# KiCad board Marble.kicad_pcb (continued)
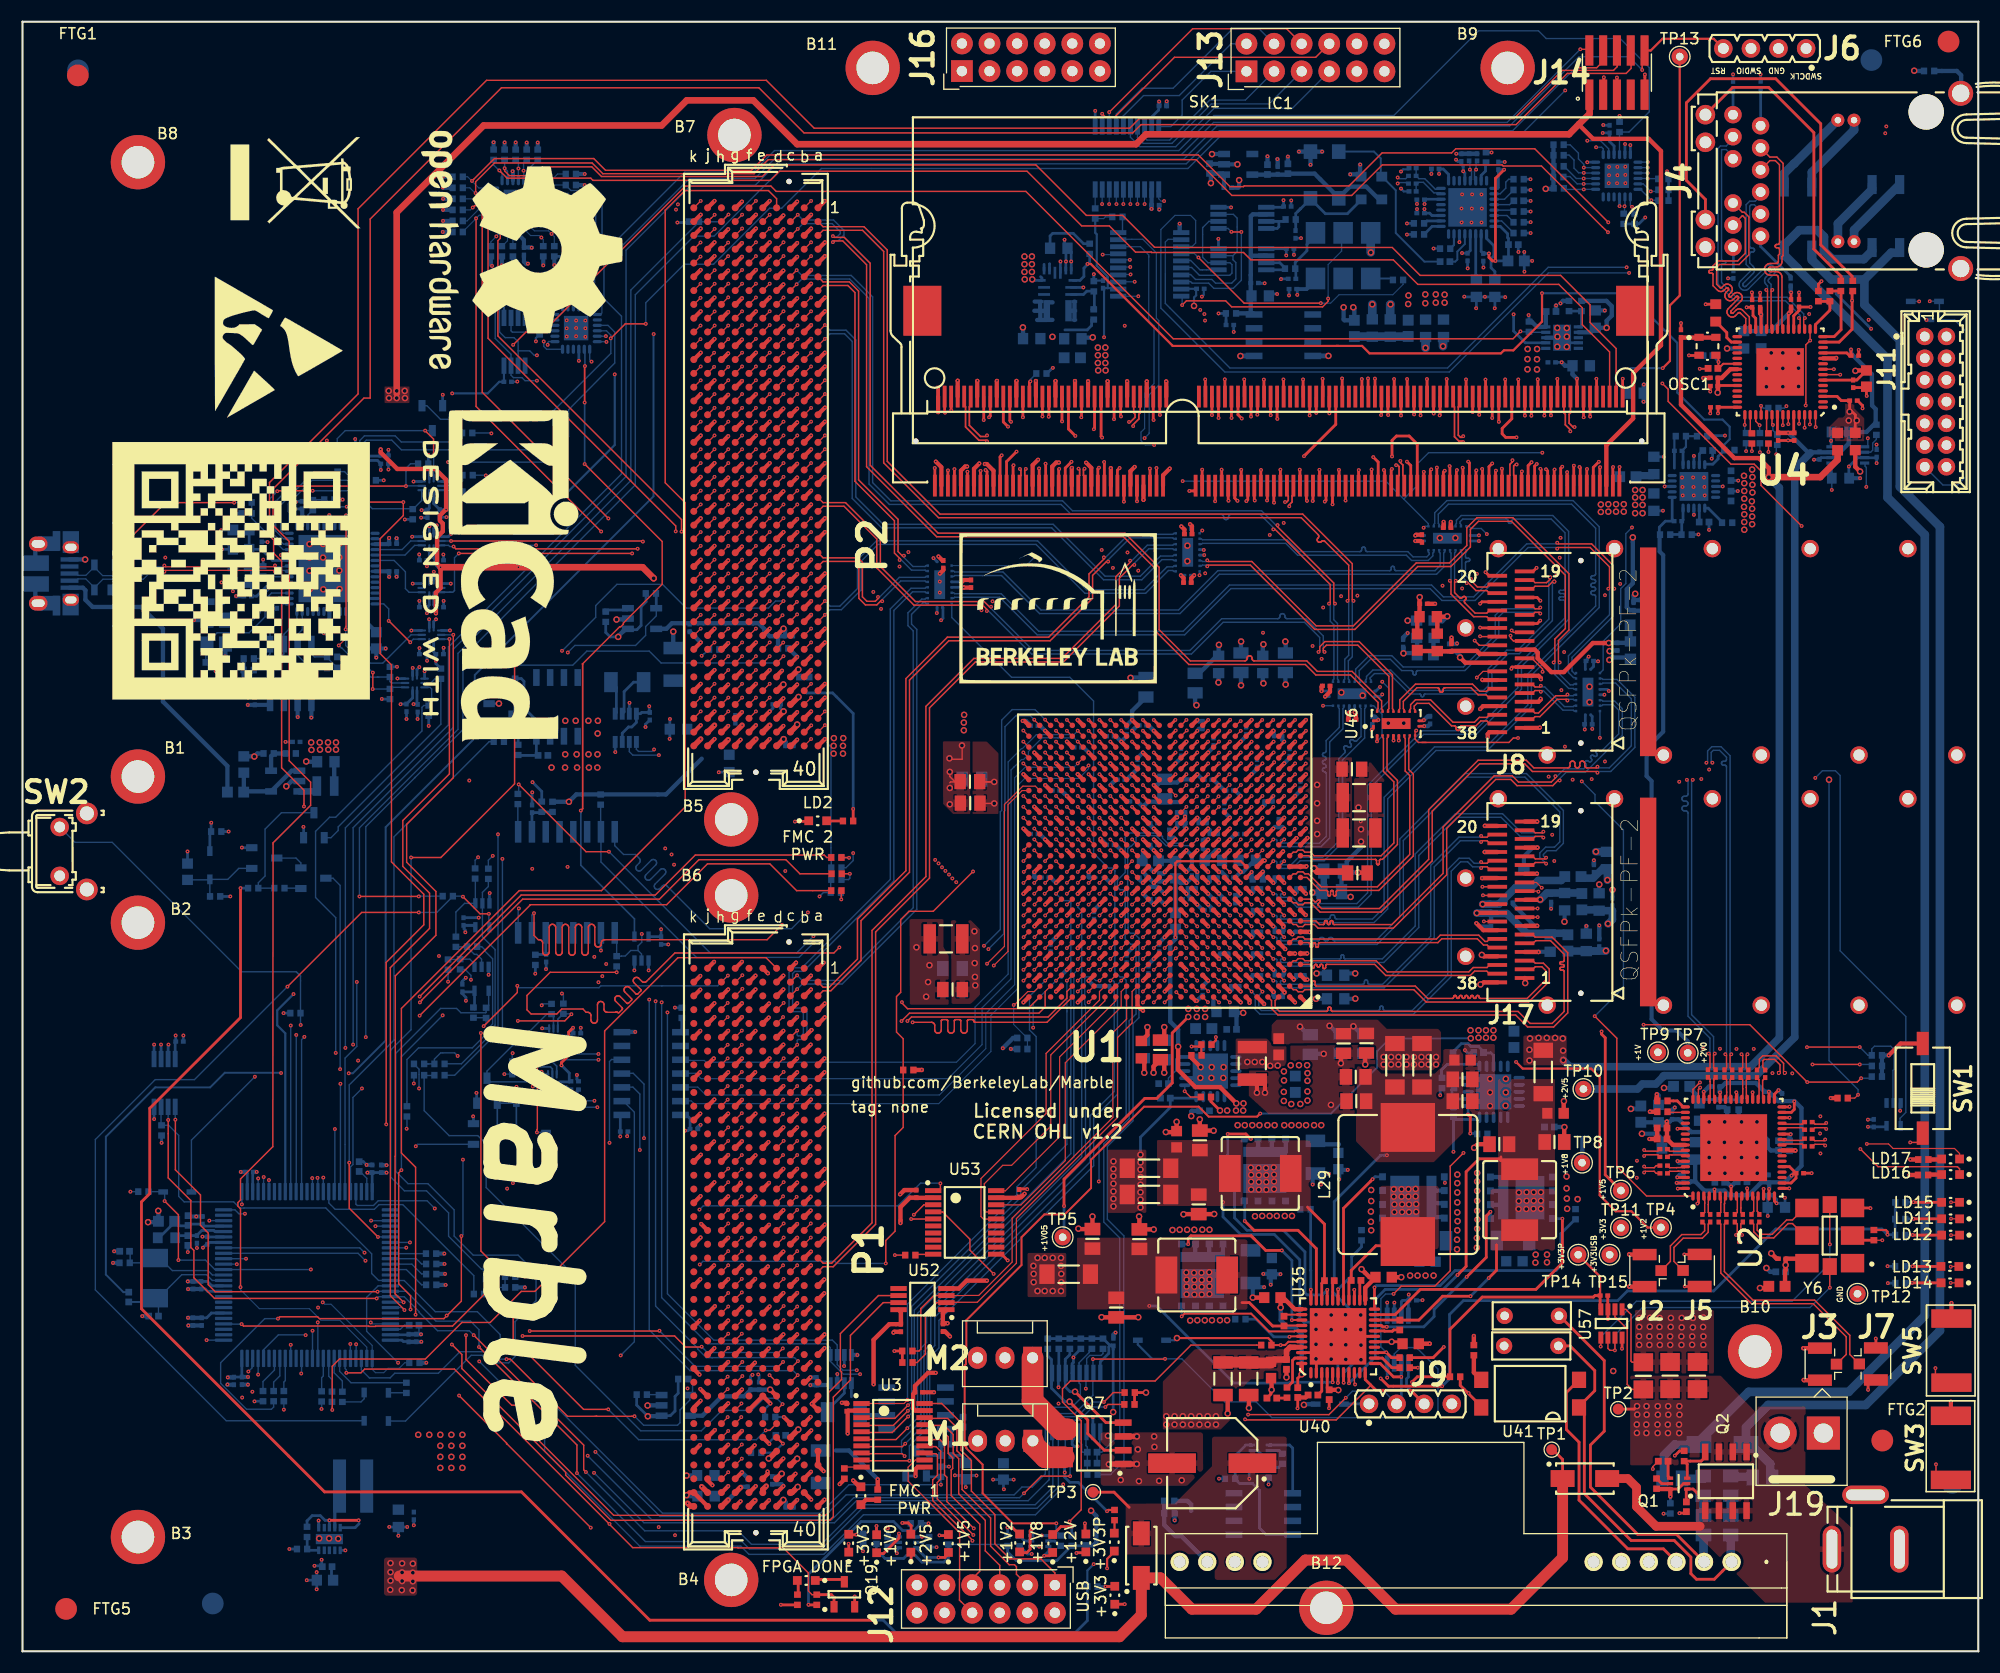
[diagram p0: board, top side]
## Routing (per net, layer and track width the routed paths; a pad name or vN(x,y) marks a point on that pad's centre or on a via; arc(x,y) is an arc through that point) (continued)
/ETH_PHY/RGMII_TXD1: length 102.2
  Top w0.102: v1(107.13,66.73) 106.63,67.23 106.62,67.23
  Top w0.127: v1(162.52,112.96) 162.52,112.96 U4.51
  In2.Cu w0.127: v1(107.13,66.73) 107.61,66.73 108.75,65.59 108.75,65.55 109.21,65.1 116.52,65.1 116.66,64.95 122.35,64.95 124.8,62.49 127.88,62.49 127.89,62.49 127.91,62.49 127.92,62.48 127.93,62.47 127.94,62.45 127.95,62.44 127.95,62.41 127.96,62.39 127.97,62.38 127.98,62.37 127.99,62.36 128,62.35 128.02,62.35 128.58,62.35 128.59,62.35 128.61,62.36 128.62,62.37 128.63,62.38 128.64,62.39 128.65,62.41 128.65,62.42 128.65,62.49 128.65,62.49 128.65,62.82 128.66,62.89 128.69,62.96 128.72,63.02 128.77,63.07 128.84,63.11 128.9,63.13 128.97,63.14 129.03,63.14 129.1,63.13 129.17,63.11 129.23,63.07 129.28,63.02 129.32,62.96 129.35,62.89 129.36,62.74 129.39,62.68 129.42,62.62 129.47,62.56 129.54,62.53 129.6,62.5 129.67,62.49 134.26,62.49 135.4,63.64 148.09,63.64 160.33,75.88 160.33,79.78 162.01,81.46 162.01,89.55 161.16,90.4 161.16,106.34 162.01,107.19 162.01,110.08 162.97,111.04 162.97,112.52 v1(162.52,112.96)
/ETH_PHY/RGMII_TXD2: length 97.3
  Top w0.11: v1(111.12,62.75) 111.1,62.75 U1.D8
  Top w0.127: U4.54 v1(164.02,112.63)
  In2.Cu w0.127: v1(111.12,62.75) 111.62,62.25 116.03,62.25 116.1,62.17 118.64,62.17 119.08,61.73 133.84,61.73 133.96,61.85 135.28,61.85 135.85,62.41 148.63,62.41 149.34,63.12 149.34,63.13 161.08,74.88 161.08,79.17 162.79,80.88 162.79,82.52 162.78,90.3 162.01,91.07 162.01,105.55 162.79,106.33 162.79,109.36 164.02,110.59 v1(164.02,112.63)
/ETH_PHY/RGMII_TXD3: length 102.3
  Top w0.102: U1.D9 110.12,62.73 v1(110.12,62.73)
  Top w0.127: v1(164.5,112.94) 164.52,112.95 U4.55
  In2.Cu w0.127: v1(164.5,112.94) 164.5,110.46 163.13,109.09 163.13,106.01 162.56,105.43 162.47,105.34 162.47,91.26 163.13,90.59 163.13,80.38 161.48,78.72 161.48,74.45 148.9,61.88 138.62,61.88 138.52,61.97 138.08,61.97 137.02,60.92 133.6,60.92 133.29,61.22 123.87,61.22 123.84,61.22 123.81,61.21 123.79,61.19 123.76,61.17 123.75,61.15 123.74,61.12 123.73,61.06 123.72,61.03 123.71,61 123.68,60.98 123.66,60.96 123.63,60.95 123.6,60.95 123.27,60.95 123.24,60.95 123.21,60.96 123.19,60.98 123.16,61 123.15,61.03 123.14,61.06 123.13,61.09 123.13,61.33 123.13,61.36 123.12,61.38 123.11,61.4 123.09,61.42 123.07,61.43 123.05,61.44 123.02,61.44 122.65,61.44 122.62,61.44 122.6,61.43 122.58,61.42 122.56,61.4 122.55,61.38 122.54,61.36 122.53,61.33 122.53,61.09 122.53,61.06 122.52,61.03 122.51,61 122.48,60.98 122.46,60.96 122.43,60.95 122.4,60.95 122.07,60.95 122.04,60.95 122.01,60.96 121.99,60.98 121.96,61 121.95,61.03 121.94,61.06 121.93,61.09 121.93,61.33 121.93,61.36 121.92,61.38 121.91,61.4 121.89,61.42 121.87,61.43 121.85,61.44 121.82,61.44 121.45,61.44 121.42,61.44 121.4,61.43 121.38,61.42 121.36,61.4 121.35,61.38 121.34,61.36 121.33,61.33 121.33,61.09 121.33,61.06 121.32,61.03 121.31,61 121.28,60.98 121.26,60.96 121.23,60.95 121.2,60.95 120.87,60.95 120.84,60.95 120.81,60.96 120.79,60.98 120.76,61 120.75,61.03 120.74,61.06 120.73,61.09 120.73,61.33 120.73,61.36 120.72,61.38 120.71,61.4 120.69,61.42 120.67,61.43 120.65,61.44 120.62,61.44 120.25,61.44 120.22,61.44 120.2,61.43 120.18,61.42 120.16,61.4 120.15,61.38 120.14,61.36 120.13,61.33 120.13,61.22 120.12,61.22 120.12,61.09 120.12,61.06 120.11,61.03 120.09,61 120.07,60.98 120.04,60.96 120.02,60.95 119.98,60.95 119.66,60.95 119.63,60.95 119.6,60.96 119.57,60.98 119.55,61 119.53,61.03 119.52,61.06 119.52,61.12 119.51,61.15 119.49,61.17 119.47,61.19 119.44,61.21 119.42,61.22 119.38,61.22 112.12,61.22 110.62,62.73 v1(110.12,62.73)
/FANFAIL: length 166.3
  In2.Cu w0.127: v1(52.73,18.35) 49.57,21.52 49.57,47.51 49.26,47.82 49.26,100.95 49.81,101.49 53.74,105.4 v1(53.74,120.53)
  Bottom w0.127: v1(53.74,120.53) 53.72,120.55 U39.6 ; v1(52.73,18.35) 58.67,12.41 73.81,12.41 75.79,14.39 82.67,14.39 ; R173.2 98.33,27.84 98.17,27.68 98.17,27.5 97.24,26.57 97.24,24.7 97.36,24.58 97.36,23.25 96.57,22.46 94.89,22.46 94.13,21.69 94.13,16.32 92.92,15.12 91.98,15.12 91.26,14.39 82.67,14.39 ; 82.67,14.39 82.61,14.39
/FMC1_PRSNT_M2C_L: length 27.9
  Top w0.102: P1.H2 v1(64.92,62.2)
  Top w0.127: v1(45.54,61.26) 45.54,60.64 v1(42.44,57.54)
  Bottom w0.127: v1(42.44,57.54) 42.67,57.77 R63.1 42.64,58.32 R234.2 ; 58.82,61.26 53.23,61.26 53.06,61.08 45.71,61.08 v1(45.54,61.26) ; 58.82,61.26 58.9,61.26 ; 58.82,61.26 63.98,61.26 v1(64.92,62.2)
/FMC1_PRSNT_Override: length 2
  Bottom w0.127: D18.2 35.5,23.79 35.48,23.78 R151.1
/FMC1_TCK: length 60.4
  Top w0.127: P1.D29 v1(69.97,27.88) ; v1(46.02,29.02) 60.02,29.02 61.03,28.01 62.48,28.01 v1(62.51,28.03)
  In2.Cu w0.127: v1(40.05,54.8) 40.05,37.98 39.92,37.85 39.92,31.49 42.39,29.02 v1(46.02,29.02)
  Bottom w0.127: v1(62.51,28.03) 63.04,27.5 69.59,27.5 v1(69.97,27.88) ; 37.38,54.07 R239.1 R241.2 37.91,54.5 38.48,55.08 39.77,55.08 v1(40.05,54.8)
/FMC1_TDI: length 64.2
  Top w0.127: v1(58.62,29.51) 58.59,29.48 v1(46.68,29.48) ; P1.D30 v1(70,26.64)
  In2.Cu w0.127: v1(41.27,61.81) 41.27,49.95 40.97,49.65 40.97,38.27 41.65,37.58 41.65,31.03 43.2,29.48 v1(46.68,29.48)
  Bottom w0.127: v1(58.62,29.51) 61.9,26.23 69.59,26.23 v1(70,26.64) ; R277.1 40.73,62.77 41.27,62.22 v1(41.27,61.81)
/FMC1_TDO: length 64.1
  Top w0.127: v1(42.19,56.91) 42.19,36.85 43.86,35.17 v1(43.86,31.84) ; P1.D31 v1(68.76,25.42)
  In9.Cu w0.127: v1(43.86,31.84) 46.28,31.84 53.24,24.88 68.22,24.88 v1(68.76,25.42)
  Bottom w0.127: v1(42.19,56.91) 42.43,56.91 43.27,57.74 43.27,63.74 42.58,64.43 42.58,64.54 42.26,64.86 R278.1
/FMC1_TMS: length 58.7
  Top w0.127: v1(69.95,22.75) 69.43,22.23 P1.D33
  Bottom w0.127: 37.86,53.03 37.83,53 36.99,53 ; R240.1 36.97,49.76 39.27,47.46 41.9,47.46 42.67,46.7 42.67,42.69 50.87,34.48 50.87,26.32 56.9,20.3 62.48,20.3 64.35,22.17 67.11,22.17 68.23,23.29 69.41,23.29 v1(69.95,22.75)
/FMC1_TRST: length 35.9
  Top w0.127: P1.D34 68.78,20.34 v1(68.4,20.34) ; v1(45.16,31.16) 45.16,28.74 51.64,22.27 v1(53.91,22.27)
  Bottom w0.127: v1(53.91,22.27) 56.71,19.47 67.54,19.47 v1(68.4,20.34) ; v1(45.16,31.16) 43.43,32.88 R290.1 42.48,34.05 R289.2
/FMC2_PRSNT_M2C_L: length 86.6
  Top w0.127: P2.H2 v1(64.97,132.25) ; v1(31.01,69.48) v1(36.47,69.48)
  Bottom w0.127: v1(64.97,132.25) 64.31,131.59 62.27,131.59 ; R276.1 36.5,69.51 v1(36.47,69.48) ; R205.2 62.27,131.58 55.99,125.31 55.99,107.78 40.08,91.86 40.08,84.86 31.01,75.8 v1(31.01,69.48)
/FMC2_PRSNT_Override: length 2.7
  Bottom w0.127: R152.1 31.15,22.95 31.44,23.24 D17.2
/FMC2_TCK: length 66.6
  Top w0.127: P2.D29 v1(70.04,97.95)
  In4.Cu w0.127: v1(70.04,97.95) 69.39,97.3 56.31,97.3 54.17,95.16 54.17,94.72 43.76,84.31 v1(43.76,75.2)
  GND5.Cu w0.127: 43.94,75.37 v1(43.76,75.2)
  Bottom w0.127: R241.1 38.85,54.05 ; 38.8,54.08 40.4,54.08 43.76,57.45 v1(43.76,75.2)
/FMC2_TDI: length 49
  Top w0.112: P2.D30 v1(70.04,96.68)
  In7.Cu w0.127: v1(41.93,73.09) 41.93,84.37 v1(49.65,92.09)
  Bottom w0.127: 41.63,72.06 R279.1 41.65,72.81 v1(41.93,73.09) ; v1(70.04,96.68) 69.31,96.68 68.66,96.03 61.08,96.03 58.9,98.21 54.71,98.21 52.75,96.26 52.75,95.18 49.67,92.09 v1(49.65,92.09)
/FMC2_TDO: length 43.8
  Top w0.127: P2.D31 69.4,94.82 v1(69.95,95.37)
  In4.Cu w0.127: v1(43.28,73.22) 44.37,74.31 44.37,83.45 53.92,93.01 53.92,93.19 55.74,95.01 69.59,95.01 v1(69.95,95.37)
  GND5.Cu w0.127: 43.45,73.39 v1(43.28,73.22)
  Bottom w0.127: v1(43.28,73.22) 42.87,72.81 R280.1 42.89,72.04
/FMC2_TMS: length 63.6
  Top w0.127: v1(70.01,92.85) 69.4,92.24 P2.D33
  In4.Cu w0.127: v1(44.17,72.94) 44.89,73.66 44.89,82.73 55.39,93.23 55.43,93.23 55.51,93.31 69.56,93.31 v1(70.01,92.85)
  GND5.Cu w0.127: 44.34,73.11 v1(44.17,72.94)
  Bottom w0.127: v1(44.17,72.94) 44.17,57.42 39.77,53.03 38.8,53.03
/FMC2_TRST: length 93.8
  Top w0.112: P2.D34 v1(70.04,91.6)
  Top w0.127: v1(35.76,73.07) 38.5,73.07 45.29,79.85 45.29,90.6 v1(45.46,90.77)
  Bottom w0.127: v1(70.04,91.6) 69.42,90.97 58.77,90.97 57.68,92.07 51.94,92.07 50.64,90.77 v1(45.46,90.77) ; v1(35.76,73.07) 35.76,57.22 33.89,55.35 33.89,43.64 35.15,42.38 37.18,42.38 39.21,40.35 39.21,38.2 42.23,35.18 R289.1
/FMC_1/FMC1_3P3VAUX: length 9.2
  Top w0.4: P1.D32 68.82,24.08 v2(68.81,24.08)
  Bottom w0.4: 61.42,21.68 62.57,21.68 64.36,23.47 66.42,23.47 67,24.05 C66.1 67.01,24.08 v2(68.81,24.08)
/FMC_1/FMC1_CLK0_M2C_N: length 45.3
  Top w0.11: U1.E17 v1(101.12,63.73)
  Top w0.112: P1.H5 64.32,57.8 v1(64.9,58.38)
  In7.Cu w0.1: v1(101.12,63.73) 101.12,64.04 101.07,64.09 100.91,64.09 100.77,63.95 100.77,62.9 100.77,62.9 100.77,62.56 100.77,62.56 100.77,62.45 100.41,62.09 99.97,62.09 99.96,62.08 99.95,62.08 99.77,61.9 99.77,61.56 99.77,61.56 99.77,59.88 99.77,59.88 99.77,59.55 99.77,59.54 99.77,58.48 97.84,56.55 78.32,56.55 75.98,58.89 65.41,58.89 v1(64.9,58.38)
/FMC_1/FMC1_CLK0_M2C_P: length 45.3
  Top w0.11: U1.F17 v1(101.12,64.73)
  Top w0.112: P1.H4 64.32,59.1 v1(64.9,59.68)
  In7.Cu w0.1: v1(101.12,64.73) 101.12,64.43 101.07,64.38 100.79,64.38 100.48,64.07 100.48,63.02 100.48,63.02 100.48,62.57 100.29,62.38 99.85,62.38 99.84,62.37 99.83,62.37 99.48,62.02 99.48,61.44 99.48,59.42 99.48,58.6 97.72,56.84 78.44,56.84 76.11,59.18 65.41,59.18 v1(64.9,59.68)
/FMC_1/FMC1_CLK1_M2C_N: length 42.9
  Top w0.11: U1.D18 100.12,62.73 v1(100.12,62.73)
  Top w0.112: P1.G3 65.6,60.33 v1(66.25,60.98)
  In7.Cu w0.1: v1(100.12,62.73) 99.76,63.09 98.96,63.09 98.77,62.89 98.77,60.56 98.77,60.56 98.77,59.37 97.96,58.56 80.35,58.56 75.12,63.8 71.08,63.8 68.74,61.46 66.73,61.46 v1(66.25,60.98)
/FMC_1/FMC1_CLK1_M2C_P: length 42.9
  Top w0.11: U1.E18 100.12,63.73 v1(100.12,63.73)
  Top w0.112: v1(66.25,62.23) 65.62,61.6 P1.G2
  In7.Cu w0.1: v1(66.25,62.23) 66.73,61.75 68.62,61.75 70.96,64.09 75.24,64.09 80.47,58.85 97.84,58.85 98.48,59.49 98.48,60.44 98.48,60.44 98.48,63.02 98.83,63.37 98.84,63.37 98.84,63.38 99.76,63.38 v1(100.12,63.73)
/FMC_1/FMC1_FUSE: length 39.4
  Top w0.127: v1(56.32,21.63) 52.83,21.63 ; 52.83,21.63 50.16,21.63 44.9,26.89 v1(44.55,26.89) ; 52.83,21.63 52.73,21.63
  Bottom w0.127: R260.2 61.67,24.68 61.67,23.83 61.42,23.58 61.42,23.12 60.51,22.22 60.51,21.03 60.28,20.81 57.16,20.81 56.34,21.63 v1(56.32,21.63) ; U54.78 31.18,25.9 31.92,25.16 33.83,25.16 34.26,25.59 38.28,25.59 40.26,27.57 42.85,27.57 43.53,26.89 v1(44.55,26.89)
/FMC_1/FMC1_GBTCLK0_M2C_N: length 168.5
  Top w0.112: v1(70,58.38) 69.41,57.79 P1.D5
  Top w0.13: v1(161.64,53.24) 161.75,53.35 161.75,53.98 161.25,54.48 160.29,54.48 160.18,54.36 160.18,53.74 160.39,53.53 C86.2
  In4.Cu w0.1: v1(161.64,53.24) 161.77,53.11 161.77,52.78 161.54,52.55 160.26,52.55 159.39,53.41 149.23,53.41 145.22,49.4 145.22,47.72 145.21,47.68 145.2,47.64 145.17,47.6 145.14,47.57 145.1,47.54 145.06,47.53 145.02,47.52 144.98,47.52 144.94,47.52 144.89,47.5 144.86,47.48 144.82,47.45 144.8,47.41 144.79,47.37 144.78,47.32 144.79,47.28 144.8,47.24 144.82,47.2 144.86,47.17 144.89,47.14 144.94,47.13 144.98,47.12 145.02,47.12 145.06,47.12 145.1,47.1 145.14,47.08 145.17,47.05 145.2,47.01 145.21,46.97 145.22,46.92 145.21,46.88 145.2,46.84 145.17,46.8 145.14,46.77 145.1,46.74 145.06,46.73 145.02,46.72 144.98,46.72 144.94,46.72 144.89,46.7 144.86,46.68 144.82,46.65 144.8,46.61 144.79,46.57 144.78,46.52 144.79,46.48 144.8,46.44 144.82,46.4 144.86,46.37 144.89,46.34 144.94,46.33 144.98,46.32 145.02,46.32 145.06,46.32 145.1,46.3 145.14,46.28 145.17,46.25 145.2,46.21 145.21,46.17 145.22,46.12 145.21,46.08 145.2,46.04 145.17,46 145.14,45.97 145.1,45.94 145.06,45.93 145.02,45.92 144.98,45.92 144.94,45.92 144.89,45.9 144.86,45.88 144.82,45.85 144.8,45.81 144.79,45.77 144.78,45.72 144.79,45.68 144.8,45.64 144.82,45.6 144.86,45.57 144.89,45.54 144.94,45.53 144.98,45.52 145.02,45.52 145.06,45.52 145.1,45.5 145.14,45.48 145.17,45.45 145.2,45.41 145.21,45.37 145.22,45.32 145.22,41.27 142.44,38.5 137.85,38.5 135.36,36.01 124.3,36.01 121.79,38.53 114.67,38.53 112.34,36.2 101.35,36.2 97.45,32.3 93.21,32.3 92.67,32.84 89.4,32.84 88.2,31.64 88.2,31.01 79.51,22.32 64.61,22.32 63.21,23.72 63.21,27.78 63.22,27.79 63.22,28.37 63.21,28.39 63.21,58.45 63.62,58.86 69.52,58.86 v1(70,58.38)
/FMC_1/FMC1_GBTCLK0_M2C_P: length 169.6
  Top w0.112: v1(70.05,59.68) 69.43,59.06 P1.D4
  Top w0.13: v1(162.19,53.24) 162.08,53.35 162.08,54.12 161.39,54.81 160.16,54.81 159.85,54.5 159.85,53.74 159.64,53.53 C98.2
  In4.Cu w0.1: v1(70.05,59.68) 69.52,59.15 63.5,59.15 62.92,58.57 62.92,28.27 62.93,28.25 62.93,27.91 62.92,27.9 62.92,23.6 64.49,22.03 79.63,22.03 88.49,30.89 88.49,31.52 89.52,32.55 92.55,32.55 93.09,32.01 97.57,32.01 101.47,35.91 112.46,35.91 114.79,38.24 121.67,38.24 124.18,35.72 135.48,35.72 137.97,38.21 142.56,38.21 145.51,41.15 145.51,49.28 149.35,53.12 159.27,53.12 160.13,52.26 161.66,52.26 162.06,52.66 162.06,53.11 v1(162.19,53.24)
/FMC_1/FMC1_GBTCLK1_M2C_N: length 135
  Top w0.112: 71.94,37.47 v1(72.55,38.08)
  Top w0.13: C87.2 158.65,53.7 158.65,54.85 v1(158.76,54.96)
  In4.Cu w0.1: v1(158.76,54.96) 158.63,55.09 158.63,55.76 157.92,56.47 146.29,56.47 142.29,52.47 142.25,52.44 142.21,52.42 142.17,52.41 142.12,52.41 142.08,52.42 142.04,52.44 142,52.47 141.98,52.49 141.94,52.52 141.9,52.54 141.86,52.55 141.82,52.55 141.77,52.54 141.73,52.52 141.7,52.49 141.67,52.46 141.65,52.42 141.64,52.37 141.64,52.33 141.65,52.28 141.67,52.24 141.7,52.21 141.72,52.18 141.75,52.15 141.77,52.11 141.78,52.07 141.78,52.02 141.77,51.98 141.75,51.94 141.72,51.9 138.25,48.43 127.39,48.43 120.88,41.92 111.28,41.92 110.93,42.27 108.28,42.27 107.58,41.58 105.26,41.58 102.68,39 98.51,39 97.29,40.22 95.72,40.22 79.67,24.16 72.33,24.16 71.6,24.9 64.57,24.9 64.4,25.07 64.4,38.08 64.91,38.59 72.05,38.59 v1(72.55,38.08)
/FMC_1/FMC1_GBTCLK1_M2C_P: length 135
  Top w0.112: 71.91,38.74 v1(72.55,39.38)
  Top w0.13: v1(158.21,54.96) 158.32,54.85 158.32,53.74 158.13,53.55 C99.2
  In4.Cu w0.1: v1(158.21,54.96) 158.34,55.09 158.34,55.64 157.8,56.18 146.41,56.18 138.37,48.14 127.51,48.14 121,41.63 111.16,41.63 110.81,41.98 108.4,41.98 107.7,41.29 105.38,41.29 102.8,38.71 98.39,38.71 97.17,39.93 95.84,39.93 79.79,23.87 72.21,23.87 71.48,24.61 64.45,24.61 64.11,24.95 64.11,38.2 64.79,38.88 72.05,38.88 v1(72.55,39.38)
/FMC_1/FMC1_PG_C2M: length 71.9
  Top w0.127: v1(28.51,22.22) 28.51,26.24 29.17,26.9 37.07,26.9 40.44,30.27 43.05,30.27 45.91,33.13 47.15,33.13 53.57,39.55 53.57,57.1 60.32,63.85 68.42,63.85 P1.D1
  Bottom w0.127: R153.1 28.51,22.94 v1(28.51,22.22)
/FMC_1/I2C_FMC1_SCL: length 127.3
  Top w0.127: P1.C30 70.7,26.04 v1(71.37,26.71) ; v1(42.31,132.69) 42.31,115.89 v1(53.92,104.28)
  In2.Cu w0.127: v1(58.27,59.83) 58.27,66.41 57.54,67.14 57.54,84.1 53.92,87.72 v1(53.92,104.28)
  Bottom w0.102: U5.2 41.94,132.69 40.91,131.66 R45.1
  Bottom w0.127: 63.51,27.03 63.41,27.03 ; 63.51,27.03 62.93,27.03 62.14,27.82 62.14,27.9 58.27,31.78 v1(58.27,59.83) ; 63.51,27.03 71.05,27.03 v1(71.37,26.71) ; 42.25,132.69 v1(42.31,132.69)
/FMC_1/I2C_FMC1_SDA: length 129.1
  Top w0.127: v1(41.74,131.91) 41.74,114.59 v1(53.26,103.07) ; v1(71.35,25.42) 70.7,24.77 P1.C31
  In2.Cu w0.127: 57.12,76.95 57.12,83.64 53.26,87.5 v1(53.26,103.07) 53.25,103.07 ; 57.12,76.95 57.12,69.03 ; 57.12,76.95 57.12,77.04 ; 57.12,68.94 57.12,69.03 ; 57.12,69.03 57.12,66.69 57.34,66.48 57.34,64.62 57.21,64.5 57.21,60.45 v1(57.68,59.99)
  Bottom w0.102: R46.1 40.52,130.67 41.74,131.89 v1(41.74,131.91) 42.03,132.19 U5.1
  Bottom w0.127: v1(57.68,59.99) 57.68,29.58 61.43,25.83 70.93,25.83 v1(71.35,25.42)
/FMC_2/FMC2_3P3VAUX: length 15.3
  Top w0.4: P2.D32 v2(70.04,94.14)
  Bottom w0.4: 58.15,94.12 59.26,94.12 59.77,94.63 62.17,94.63 62.18,94.64 62.66,94.64 62.67,94.63 64.71,94.63 64.72,94.64 67.22,94.64 67.24,94.62 67.26,94.64 67.74,94.64 68.29,94.09 68.29,93.91 68.76,93.44 69.56,93.44 ; 69.56,93.44 C10.1 70.18,93.99 v2(70.04,94.14) ; 69.56,93.44 69.54,93.41 69.54,92.62
/FMC_2/FMC2_CLK0_M2C_N: length 76
  Top w0.11: U1.AA24 v1(94.12,80.73)
  Top w0.112: 64.32,127.79 v1(64.94,128.42)
  In4.Cu w0.1: v1(64.94,128.42) 64.46,128.9 62.2,128.9 61.97,128.66 61.97,112.88 62.11,112.73 74.62,112.73 80.4,106.95 80.4,103.73 82.67,101.46 82.67,98.1 91.16,89.61 91.16,80.6 91.39,80.37 94.2,80.37 94.3,80.47 94.3,80.55 v1(94.12,80.73)
/FMC_2/FMC2_CLK0_M2C_P: length 77.5
  Top w0.11: U1.Y23 v1(95.12,79.73)
  Top w0.112: 64.34,129.06 v1(64.94,129.67)
  In4.Cu w0.1: v1(64.94,129.67) 64.46,129.19 62.08,129.19 61.68,128.78 61.68,112.76 61.99,112.44 74.5,112.44 80.11,106.83 80.11,103.61 82.38,101.34 82.38,97.98 90.87,89.49 90.87,80.48 91.27,80.08 94.77,80.08 v1(95.12,79.73)
/FMC_2/FMC2_CLK1_M2C_N: length 104.4
  Top w0.11: U1.E23 v1(95.12,63.73)
  Top w0.112: P2.G3 v1(66.23,130.97)
  In4.Cu w0.1: v1(95.12,63.73) 95.33,63.94 95.33,64.01 95.25,64.09 93.83,64.09 90,64.09 88.18,65.9 88.18,67.25 87.85,67.58 87.85,72.18 86.56,73.47 80.06,73.47 78.23,75.3 78.23,84.53 74.6,88.15 74.6,89.59 73.32,90.88 72.2,90.88 71.84,91.24 71.84,103.13 71.46,103.5 61.52,103.5 59.99,105.03 59.99,129.58 60.86,130.44 66.51,130.44 66.7,130.63 66.7,131.42 66.67,131.46 66.31,131.46 66.23,131.37 v1(66.23,130.97)
/FMC_2/FMC2_CLK1_M2C_P: length 104.9
  Top w0.11: U1.F22 96.12,64.73 v1(96.12,64.73)
  Top w0.112: P2.G2 v1(66.23,132.24)
  In4.Cu w0.1: v1(96.12,64.73) 95.77,64.38 93.95,64.38 90.12,64.38 88.47,66.02 88.47,67.37 88.14,67.7 88.14,72.3 86.68,73.76 80.18,73.76 78.52,75.42 78.52,84.65 74.89,88.27 74.89,89.71 73.44,91.17 72.32,91.17 72.13,91.36 72.13,103.25 71.58,103.79 61.64,103.79 60.28,105.15 60.28,129.46 60.98,130.15 66.63,130.15 66.99,130.51 66.99,131.54 66.79,131.75 66.31,131.75 66.23,131.83 v1(66.23,132.24)
/FMC_2/FMC2_FUSE: length 89.8
  In7.Cu w0.127: v1(30.71,28.26) 31.06,27.91 38.07,27.91 39.47,29.3 39.47,42.89 39.49,42.89 41.13,44.53 41.13,49.4 41.15,49.42 41.15,61.19 42.58,62.62 42.58,84.33 v1(50.19,91.94)
  Bottom w0.127: v1(30.71,28.26) 30.71,26.98 U54.79 ; 58.33,95.94 58.33,95.31 57.35,94.33 57.35,93.51 56.42,92.59 50.84,92.59 v1(50.19,91.94)
  Bottom w0.254: 58.33,97.17 58.33,95.94 58.33,95.94
/FMC_2/FMC2_GBTCLK0_M2C_N: length 161.2
  Top w0.112: P2.D5 v1(70.04,128.43)
  Top w0.13: v1(157.27,54.96) 157.16,54.85 157.16,53.71 C88.2
  In2.Cu w0.1: v1(154.98,81.79) 155.11,81.92 155.11,96.91 151.77,100.25 151.77,123.81 149.62,125.96 128.93,125.96 127.69,127.2 121.54,127.2 119.83,128.92 70.53,128.92 v1(70.04,128.43)
  Bottom w0.13: v1(154.98,81.79) 155.09,81.9 155.09,82.88 155.48,83.26 156.33,83.26 157.16,82.43 157.16,55.07 v1(157.27,54.96)
/FMC_2/FMC2_GBTCLK0_M2C_P: length 161.2
  Top w0.112: P2.D4 v1(70.04,129.7)
  Top w0.13: C100.2 156.83,53.71 156.83,54.85 v1(156.72,54.96)
  In2.Cu w0.1: v1(70.04,129.7) 70.53,129.21 119.95,129.21 121.66,127.49 127.81,127.49 129.05,126.25 149.74,126.25 152.06,123.93 152.06,100.37 155.4,97.03 155.4,81.92 v1(155.53,81.79)
  Bottom w0.13: v1(156.72,54.96) 156.83,55.07 156.83,81.4 156.83,81.43 156.81,81.47 156.79,81.5 156.76,81.53 156.73,81.55 156.69,81.57 156.65,81.57 156.54,81.57 156.5,81.58 156.46,81.59 156.43,81.61 156.4,81.64 156.38,81.67 156.37,81.71 156.36,81.75 156.37,81.78 156.38,81.82 156.4,81.85 156.43,81.88 156.46,81.9 156.5,81.92 156.54,81.92 156.65,81.92 156.69,81.93 156.73,81.94 156.76,81.96 156.79,81.99 156.81,82.02 156.83,82.06 156.83,82.1 156.83,82.29 156.19,82.93 155.62,82.93 155.42,82.74 155.42,81.9 v1(155.53,81.79)
/FMC_2/FMC2_GBTCLK1_M2C_N: length 210.2
  Top w0.112: P2.B21 v1(72.58,108.11)
  Top w0.13: v1(155.75,55.02) 155.64,54.91 155.64,53.72 C89.2
  In9.Cu w0.1: v1(72.58,108.11) 72.09,108.6 61.9,108.6 61.54,108.96 61.54,128.85 61.91,129.23 89.52,129.23 94.9,134.6 104.51,134.6 104.97,134.15 114.12,134.15 115.86,132.41 122.6,132.41 129.08,125.93 147.78,125.93 152.68,121.03 152.68,115.6 155.07,113.2 156.85,113.2 158.08,111.97 161.09,111.97 162.11,110.96 162.11,92.72 153.6,84.21 153.6,80.34 v1(153.72,80.22)
  Bottom w0.13: v1(155.75,55.02) 155.64,55.13 155.64,56.57 153.62,58.59 153.62,80.11 v1(153.72,80.22)
/FMC_2/FMC2_GBTCLK1_M2C_P: length 210.2
  Top w0.112: P2.B20 v1(72.58,109.38)
  Top w0.13: v1(155.2,55.02) 155.31,54.91 155.31,53.72 C101.2
  In9.Cu w0.1: v1(72.58,109.38) 72.09,108.89 62.02,108.89 61.83,109.08 61.83,128.73 62.03,128.94 89.64,128.94 95.02,134.31 104.39,134.31 104.85,133.86 114,133.86 115.74,132.12 122.48,132.12 128.96,125.64 147.66,125.64 152.39,120.91 152.39,115.48 154.95,112.91 156.73,112.91 157.96,111.68 160.97,111.68 161.82,110.84 161.82,92.84 153.31,84.33 153.31,80.34 v1(153.18,80.22)
  Bottom w0.13: v1(155.2,55.02) 155.31,55.13 155.31,56.44 153.29,58.46 153.29,77.13 153.28,77.18 153.26,77.23 153.24,77.27 153.2,77.31 153.16,77.34 153.11,77.35 153.06,77.36 152.95,77.36 152.9,77.36 152.86,77.38 152.81,77.41 152.78,77.44 152.75,77.49 152.74,77.53 152.73,77.58 152.74,77.63 152.75,77.68 152.78,77.72 152.81,77.76 152.86,77.79 152.9,77.8 152.95,77.81 153.06,77.81 153.11,77.81 153.16,77.83 153.2,77.86 153.24,77.89 153.26,77.94 153.28,77.98 153.29,78.03 153.28,78.08 153.26,78.13 153.24,78.17 153.2,78.21 153.16,78.24 153.11,78.25 153.06,78.26 152.95,78.26 152.9,78.26 152.86,78.28 152.81,78.31 152.78,78.34 152.75,78.39 152.74,78.43 152.73,78.48 152.74,78.53 152.75,78.58 152.78,78.62 152.81,78.66 152.86,78.69 152.9,78.7 152.95,78.71 153.06,78.71 153.11,78.71 153.16,78.73 153.2,78.76 153.24,78.79 153.26,78.84 153.28,78.88 153.29,78.93 153.29,80.11 v1(153.18,80.22)
/FMC_2/FMC2_PG_C2M: length 143.3
  Top w0.127: P2.D1 69.4,133.71 68.65,134.46 60.96,134.46 59.15,132.65 59.15,107.56 60.99,105.72 60.99,77.72 53.29,70.02 45.72,70.02 34.87,59.17 34.87,45.86 36.18,44.56 v1(36.18,30.98)
  In2.Cu w0.127: v1(36.18,30.98) 36.18,30.96 v1(27.52,22.3)
  Bottom w0.127: v1(27.52,22.3) 27.53,22.32 R154.1
/FMC_2/I2C_FMC2_SCL: length 58.9
  Top w0.127: P2.C30 70.71,96.04 v1(71.27,96.6) ; v1(60.65,103.06) 60.65,104.17 43.75,121.07 43.75,129.84 43.97,130.07 43.97,132.9 43.2,133.67 v1(41.95,133.67)
  In4.Cu w0.127: v1(71.27,96.6) 70.81,97.06 70.81,99.36 70.23,99.94 61.69,99.94 60.65,100.98 v1(60.65,103.06)
  Bottom w0.102: R47.1 43.43,133.7 U5.4
/FMC_2/I2C_FMC2_SDA: length 60
  Top w0.127: v1(60.12,103.09) 60.12,103.58 42.85,120.86 42.85,132.95 42.72,133.07 41.61,133.07 v1(41.44,132.9) ; P2.C31 70.67,94.82 v1(71.29,95.44)
  In4.Cu w0.127: v1(60.12,103.09) 60.12,100.9 61.44,99.58 70.1,99.58 70.43,99.25 70.43,96.31 v1(71.29,95.44)
  Bottom w0.102: R48.1 41.22,132.68 41.73,133.19 U5.3
/FMC_TCK: length 17.7
  In4.Cu w0.127: v1(31.24,51.81) v1(36.5,51.81)
  Bottom w0.127: 30.18,42.31 30.18,44.58 30.41,44.81 30.41,50.98 v1(31.24,51.81) ; v1(36.5,51.81) 36.5,53.58 36.03,54.05 R239.2 36.01,54.08
/FMC_TDI: length 29.3
  In4.Cu w0.127: v1(30.77,61.61) 30.79,61.64 v1(39.16,61.64)
  Bottom w0.127: R237.1 v1(39.16,61.64) ; v1(30.77,61.61) 30.77,55.68 29.68,54.6 29.68,42.31
/FMC_TDO: length 13.5
  In4.Cu w0.127: v1(35.35,48.1) 35.33,48.07 v1(28.75,48.07)
  Bottom w0.127: 28.68,42.31 28.75,42.38 v1(28.75,48.07) ; R275.2 35.38,48.12 v1(35.35,48.1)
/FMC_TMS: length 17.5
  In4.Cu w0.127: v1(29.26,52.24) 29.28,52.26 v1(36.01,52.26)
  Bottom w0.127: v1(29.26,52.24) 29.26,42.38 29.18,42.31 ; R240.2 36.03,52.28 v1(36.01,52.26) ; 36.07,52.99 36.05,53
/FMC_TRST: length 19.2
  Bottom w0.127: R290.2 41.54,34.57 35,41.11 32.81,41.11 32.38,40.68 28.78,40.68 28.19,41.27 28.19,42.3 28.18,42.31
/FPGA/CCLK: length 80
  Top w0.102: U1.C8 v1(111.12,61.73)
  In4.Cu w0.127: v1(45.68,68.38) 59.78,68.38 64.21,72.81 69.21,72.81 v1(70.2,71.82) ; v1(100.07,68.75) 100.5,68.32 100.5,67.76 101.06,67.2 105.23,67.2 106.16,66.27 110.11,66.27 110.56,65.82 110.56,65.47 110.84,65.19 111.24,65.19 111.63,64.81 111.63,62.24 v1(111.12,61.73)
  In9.Cu w0.127: v1(100.07,68.75) 99.69,68.36 91.85,68.36 91.56,68.65 81.84,68.65 77.59,72.89 77.59,73.07 76.81,73.85 75.84,73.85 73.81,71.82 v1(70.2,71.82)
  Bottom w0.127: U30.16 45.62,68.31 v1(45.68,68.38)
/FPGA/CFG_WP_B: length 62.3
  Top w0.127: v1(51.74,109.29) 58.87,102.15 58.87,98.22 55.3,94.65 55.3,94.55 55.06,94.31 54.95,94.31 51.53,90.88
  Top w0.15: 51.53,90.88 51.56,90.86 51.56,77.56 v1(51.38,77.38) ; v1(51.76,118.3) 51.74,118.28 v1(51.74,114.95)
  Bottom w0.15: v1(51.74,114.95) v1(51.74,109.29) ; U11.4 56.32,67.42 51.38,72.36 v1(51.38,77.38) ; U39.8 51.76,119.79 v1(51.76,118.3)
/FPGA/CLK20_VCXO: length 23.5
  Top w0.127: v1(119.49,124.09) 112.43,124.09 v1(108.23,128.3)
  Bottom w0.102: R103.2 127.07,125.82 126.12,124.87 121.17,124.87 120.39,124.09 v1(119.49,124.09)
  Bottom w0.127: v1(108.23,128.3) 107.85,128.68 106.63,128.68
/FPGA/CLKMUX_RST: length 214.9
  Top w0.127: v1(144.7,58.46) 146.73,56.43 146.73,44.64 149.47,41.91 U2.1
  In7.Cu w0.127: v1(48.26,122.55) 48.52,122.55 50.57,124.59 50.57,125.59 51.51,126.53 51.89,126.53 55.4,130.05 59.9,130.05 61.68,131.83 74.38,131.83 77.06,134.51 106.86,134.51 109.69,137.34 114.35,137.34 114.67,137.02 116.4,137.02 116.57,137.19 131.12,137.19 131.56,136.75 142.39,136.75 143.05,137.41 144.29,137.41 145.65,136.05 145.65,134.88 146.29,134.24 146.29,131.02 150.58,126.72 150.58,119.41 151.48,118.51 151.48,89.59 143.51,81.63 v1(143.51,80.08)
  Bottom w0.102: U39.17 48.26,122.55 v1(48.26,122.55)
  Bottom w0.127: v1(143.51,80.08) 144.73,78.86 144.73,78.22 147.34,75.61 147.34,61.1 v1(144.7,58.46)
/FPGA/DDR3_CAS_N: length 39
  Top w0.254: 110.65,85.24 v1(111.15,85.74) ; SK1.115 120.57,105.58 v1(120.57,105.58)